# KiCad board impeller18.kicad_pcb (continued)
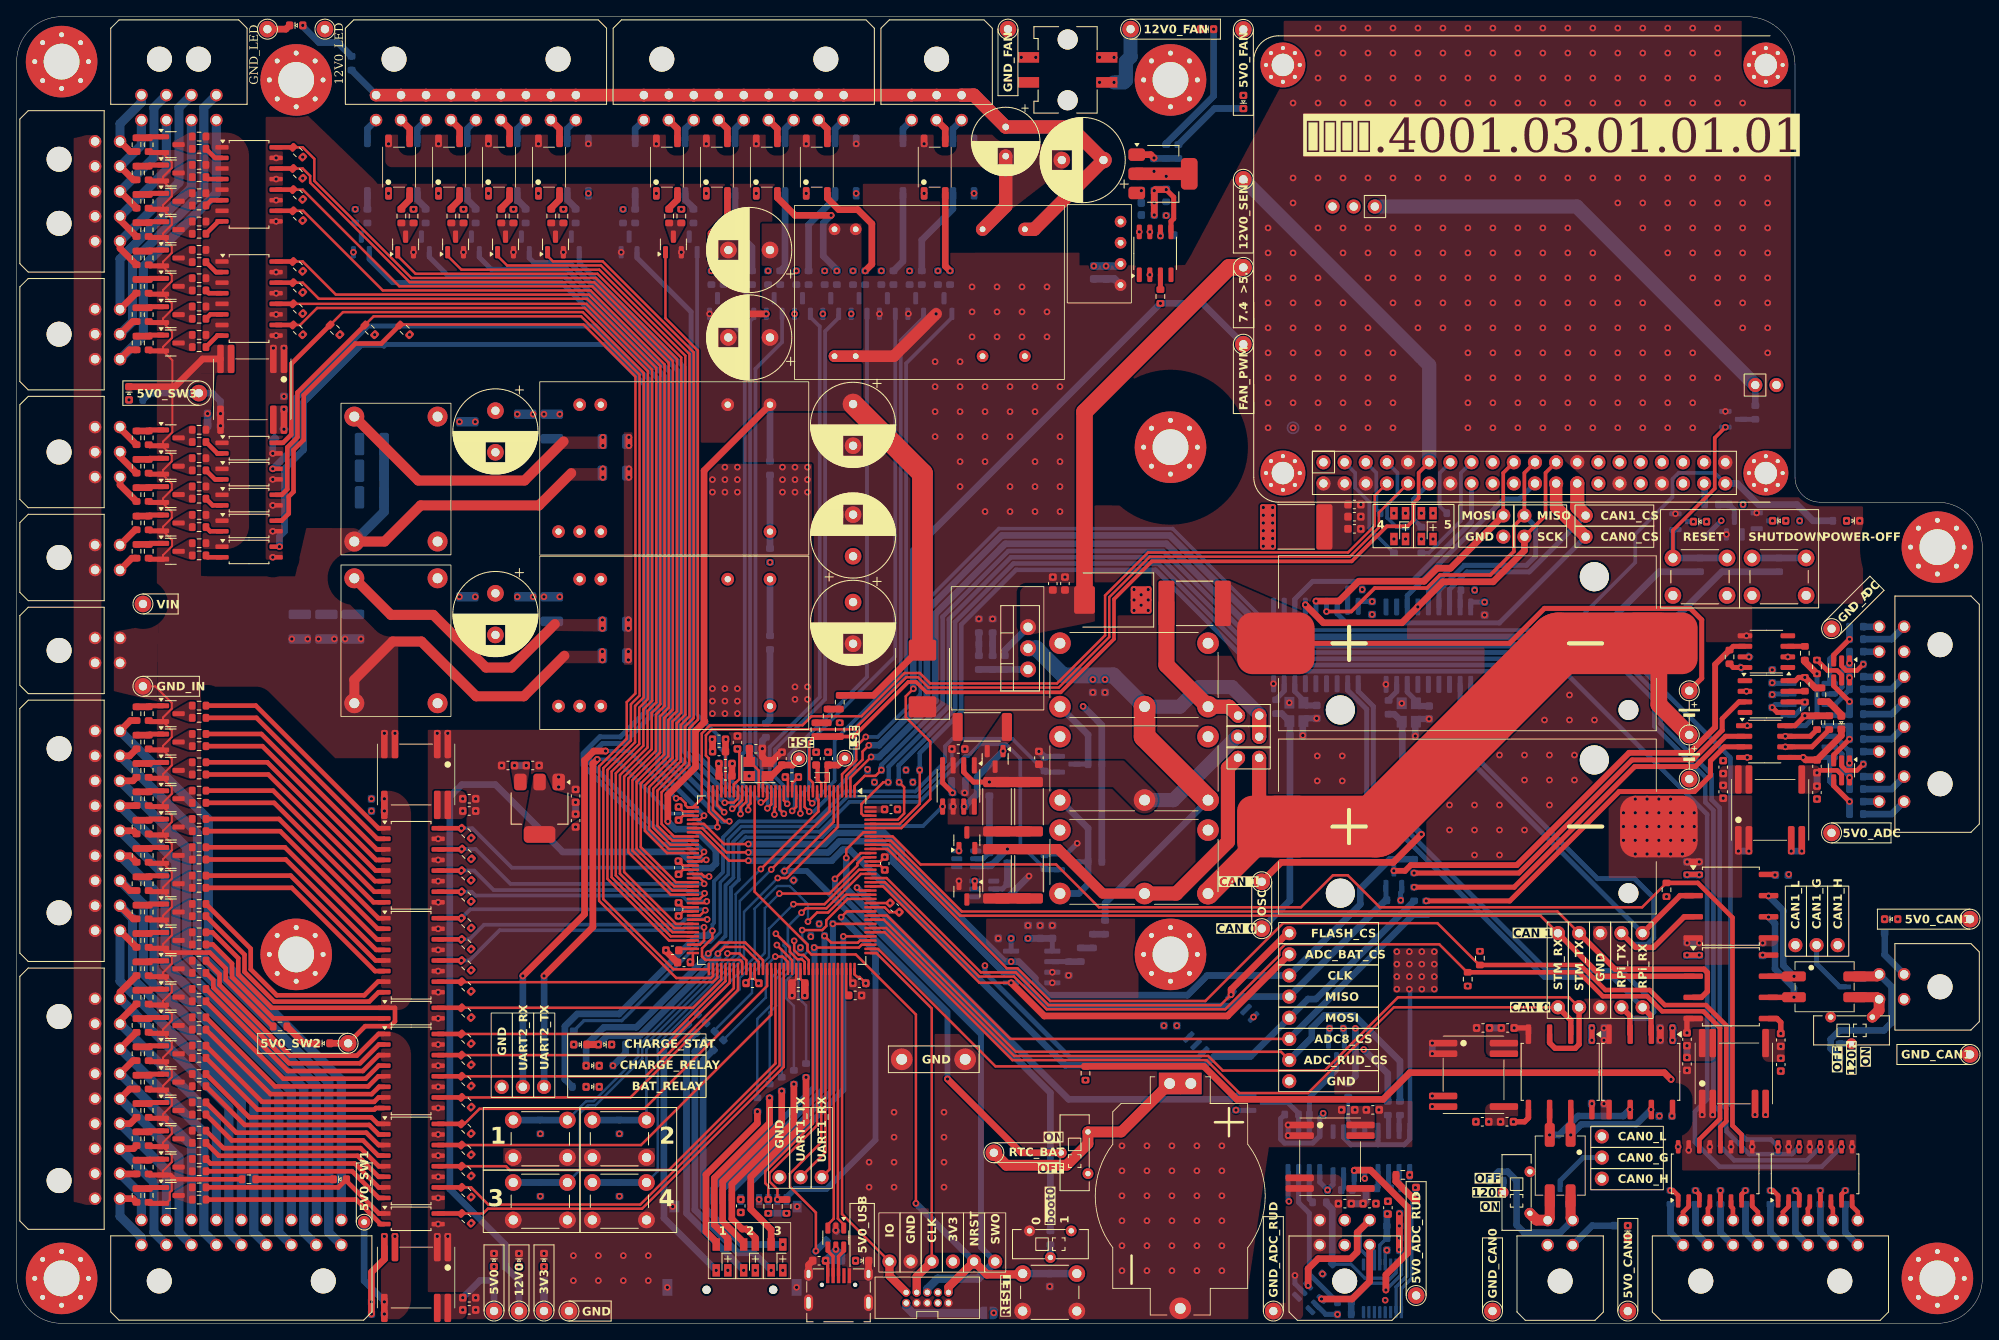
[diagram p0: board, top side]
## Routing (per net, layer and track width the routed paths; a pad name or vN(x,y) marks a point on that pad's centre or on a via; arc(x,y) is an arc through that point) (continued)
GND_ADC: length 58.9
  Top w0.55: U62.2 219.17,66.93 219.71,66.4 221.02,66.4 v1(221.77,67.15) ; v1(221.77,79.15) 221.02,78.4 219.71,78.4 219.17,78.93 U60.2
  Top w0.6: U58.9 v1(214.56,67.95) ; v1(210.84,73.95) 211.44,73.35 U57.5
  Top w0.8: D18.1 219.14,70.58 C108.2 214.86,67.66 v1(214.56,67.95)
  In1.Cu w0.8: v1(214.39,56.71) v1(213.12,56.71)
  In2.Cu w0.8: v1(213.12,56.71) v1(214.39,56.71)
  Bottom w0.6: v1(210.84,73.95) 211.19,74.3 U58.14 ; U58.9 v1(214.56,67.95)
  Bottom w0.8: R271.2 225.18,64.15 J29.7 ; R278.2 225.18,61.15 J29.8 ; J29.5 225.18,70.15 R272.2 ; R276.2 225.18,73.15 J29.4 ; R273.2 225.18,76.15 J29.3 ; v1(213.12,56.71) v1(214.39,56.71) ; J29.1 225.18,82.15 R274.2
  vias: v1(210.84,78.46) v1(216.21,62.96)
GND_ADC_RUD: length 19.5
  Top w0.8: v1(166.06,13.16) v1(166.06,8.85)
  In1.Cu w0.8: v1(166.06,13.16) v1(166.06,8.85)
  In2.Cu w0.8: v1(166.06,13.16) v1(166.06,8.85)
  Bottom w0.6: U67.2 153.52,4.77 v1(153.52,5.76)
  Bottom w0.8: v1(166.06,13.16) v1(166.06,8.85)
  vias: v1(158.74,14.38) v1(161.9,17.39) v1(163.25,14.38) v1(164.36,2.78) v1(166.06,11.7) v1(166.06,10.24) v1(167.3,17.82)
GND_CAN0: length 15.7
  Top w0.65: U10.5 181.56,24.67 181.1,24.2 v1(179.76,24.2)
  Bottom w0.6: D8.3 185.37,17.14 188.13,19.91 J11.2
  Bottom w0.8: J10.1 189.2,11.73 R42.1
  vias: v1(170.01,27.3) v1(170.01,26.03) v1(175.25,24.2) v1(190.63,26.37) v1(197.29,24.9)
GND_CAN1: length 15.7
  Top w0.65: 210.4,36.6 211.4,36.6 211.87,36.14 v1(211.87,34.8)
  Bottom w0.6: D10.3 218.93,40.41 216.16,43.17 J14.2
  Bottom w0.8: R46.1 224.34,44.24 J13.1
  vias: v1(208.77,25.05) v1(209.7,45.67) v1(210.04,25.05) v1(211.87,30.29) v1(212.82,53.91)
GND_FAN: length 45.4
  Top w0.6: v1(138.06,136.13) 138.96,135.23 138.96,132.65 138.63,132.32 U73.5
  Top w0.8: v1(138.06,136.13) 136.75,136.13 v1(136.62,136.01) v1(136.62,133.09) ; v1(136.6,139.93) 136.2,140.33 U74.1
  In1.Cu w0.8: v1(130.05,152.01) v1(131.79,152.01) ; v1(138.06,136.13) 136.75,136.13 v1(136.62,136.01) v1(136.62,134.55) v1(136.62,133.09)
  In2.Cu w0.8: v1(131.79,152.01) v1(130.05,152.01) 125.01,152.01 121.62,155.4 119.67,155.4 ; v1(138.06,136.13) 136.75,136.13 v1(136.62,136.01) v1(136.62,134.55) v1(136.62,133.09)
  Bottom w0.8: v1(136.62,133.09) v1(136.62,134.55) v1(136.62,136.01) 136.8,136.18 C132.2 ; v1(130.05,152.01) v1(131.79,152.01) ; C131.2 R338.1 R339.1
GND_IN: length 327.3
  Top w0.24: TP9.1 16.65,76.49 18.63,74.5 18.63,73.81 17.57,72.75 Q7.2 18.63,71.2 18.63,70.4 17.57,69.35 Q9.2 18.63,67.79 18.63,67 17.57,65.94 Q11.2 18.63,64.39 18.63,63.58 17.57,62.53 Q13.2 18.63,60.99 18.63,60.19 17.57,59.14 Q15.2 18.63,57.59 18.63,56.79 17.57,55.74 Q17.2 18.63,54.18 18.63,53.39 17.57,52.33 Q19.2 18.63,50.78 18.63,49.99 17.57,48.93 Q21.2 18.63,47.38 18.63,46.59 17.57,45.53 Q23.2 18.63,43.98 18.63,43.18 17.57,42.12 17.57,41.63 18.63,40.57 18.63,39.78 17.57,38.72 Q8.2 18.64,37.16 18.64,36.38 17.57,35.32 Q10.2 18.63,33.76 18.63,32.97 17.57,31.91 Q12.2 18.63,30.36 18.63,29.57 17.57,28.51 Q14.2 18.63,26.96 18.63,26.17 17.57,25.11 Q16.2 18.63,23.56 18.63,22.77 17.57,21.71 Q18.2 18.63,20.16 18.63,19.36 17.57,18.31 Q20.2 ; Q22.2 17.97,14.41 18.39,14.84 18.39,15.71 18.63,15.95 18.63,17.66 18.48,17.81 ; Q33.2 17.58,92.24 18.66,93.32 18.66,94.07 Q32.2 17.58,95.65 18.63,96.71 18.63,97.4 17.57,98.46 Q34.2 17.57,99.05 18.63,100.11 18.63,100.82 17.57,101.87 Q35.2 17.57,102.45 18.63,103.51 18.63,104.22 17.57,105.27 Q36.2 17.57,105.87 18.69,106.99 18.69,115.64 Q31.2 17.57,117.25 18.66,118.34 18.66,119.08 Q30.2 17.57,120.65 18.63,121.71 18.63,122.52 Q29.2 17.57,124.07 18.63,125.13 18.63,125.82 17.57,126.88 Q28.2 17.57,127.47 18.63,128.53 18.63,129.32 Q27.2 17.57,130.86 18.63,131.92 18.63,132.72 Q26.2 17.57,134.26 18.63,135.32 18.63,136.12 Q25.2 17.57,137.67 18.63,138.73 18.63,139.43 17.57,140.49 Q24.2
  Top w0.55: Q23.2 18.09,44.52 23.19,44.52 25.11,42.61 25.11,41.27 30.73,35.65 R144.1 ; Q20.2 18.48,17.81 18.99,17.3 R143.1
  Top w0.6: R56.1 15.98,72.25 Q7.2 ; R103.1 15.98,24.62 Q16.2 ; Q26.2 15.98,133.78 R155.1 ; Q29.2 15.98,123.57 R171.1 ; R115.1 15.98,51.84 Q19.2 ; Q31.2 15.98,116.77 R181.1 ; R75.1 15.98,65.45 Q11.2 ; Q25.2 15.98,137.18 R150.1 ; R105.1 15.98,55.24 Q17.2 ; R146.1 15.98,140.58 Q24.2 ; R187.1 15.98,95.16 Q32.2 ; Q36.2 15.98,105.37 R206.1 ; Q12.2 15.98,31.42 R83.1 ; R125.1 15.98,48.44 Q21.2 ; Q9.2 15.98,68.85 R65.1 ; Q8.2 15.98,38.22 R63.1 ; Q30.2 15.98,120.17 R176.1 ; R135.1 15.98,45.04 Q23.2 ; R197.1 15.98,98.57 Q34.2 ; R201.1 15.98,101.97 Q35.2 ; R113.1 15.98,21.22 Q18.2 ; R191.1 15.98,91.75 Q33.2 ; Q14.2 15.98,28.02 R93.1 ; R73.1 15.98,34.82 Q10.2 ; Q15.2 15.98,58.64 R95.1 ; Q22.2 15.98,14.41 R133.1 ; Q28.2 15.98,126.98 R165.1 ; R123.1 15.98,17.81 Q20.2 ; R160.1 15.98,130.38 Q27.2 ; R85.1 15.98,62.05 Q13.2 ; R55.1 15.98,41.63 17.57,41.63
  Top w0.8: U24.7 44.16,7.69 42.61,6.14 v1(42.61,2.58) v1(42.61,1.12) ; D16.1 18.99,112.46 22.33,115.8 U28.7 ; v1(70.4,102.59) v1(70.4,101.59) ; v1(70.34,79.66) v1(70.34,80.66)
  Top w1.2: 65.78,80.16 60.91,75.29 55.19,75.29 48.61,81.87 45.15,81.87 40.55,77.27 L1.1 ; 66.61,102.09 62.73,98.22 48.52,98.22 44.18,93.88 L2.1
  In1.Cu w0.8: v1(70.34,79.66) v1(70.34,80.66) ; v1(70.4,102.59) v1(70.4,101.59)
  In2.Cu w0.8: v1(70.4,102.59) v1(70.4,101.59) ; v1(70.34,79.66) v1(70.34,80.66)
  Bottom w0.9: v1(22.93,109.23) C102.2
  Bottom w1.15: C44.2 C43.2 C42.2 44.13,97.45 L2.1
  vias: v1(33.05,82.18) v1(34.95,82.18) v1(36.25,82.18) v1(38.15,82.18) v1(39.45,82.18) v1(41.35,82.18) v1(42.61,62.98) v1(42.61,61.52) v1(44.16,70.85) v1(44.16,10.45) v1(45.43,70.85) v1(45.43,10.45)
GND_LED: length 66.1
  Top w0.8: 30.13,155.4 32.34,155.4 D17.1 32.81,155.85
  Top w1.6: U55.16 118.78,134.15 C107.2
  In1.Cu w1: 30.14,155.4 32.73,155.4 33.61,154.53 35.43,154.53 40.59,149.36 40.59,143.73 42.68,141.63 v1(44.66,141.63)
  In1.Cu w1.6: U55.16 118.78,134.15 C107.2
  In2.Cu w1.6: U55.16 118.78,134.15 C107.2
  Bottom w1.6: U55.16 118.78,134.15 C107.2
  vias: v1(50.66,141.63) v1(56.66,141.63) v1(62.66,141.63) v1(68.66,141.63) v1(76.82,141.63) v1(82.82,141.63) v1(88.82,141.63) v1(94.82,141.63) v1(100.82,141.63) v1(108.98,141.63) v1(114.98,141.63)
VIN: length 66.9
  Top w0.8: v1(70.4,105.39) v1(70.4,106.39) ; v1(70.34,83.46) v1(70.34,84.46)
  Top w1.2: 65.69,105.89 61,101.2 48.23,101.2 L2.2 ; 64.64,83.96 59.42,78.75 56.36,78.75 50.04,85.07 44.95,85.07 L1.2
  In1.Cu w0.8: v1(70.34,83.46) v1(70.34,84.46) ; v1(70.4,106.39) v1(70.4,105.39)
  In2.Cu w0.8: v1(70.34,83.46) v1(70.34,84.46) ; v1(70.4,106.39) v1(70.4,105.39)
/ADC8/ADC_5V_1: length 11.2
  Top w0.6: U60.3 218.22,80.25 v1(220.12,82.15)
  Bottom w0.6: v1(220.12,82.15) 217.74,79.77 U58.1
  Bottom w0.8: R266.2 v1(220.12,82.15)
/ADC8/ADC_5V_2: length 6.4
  Bottom w0.6: R275.1 219.22,78.24 219.22,76.4 218.4,75.57 U58.2
  Bottom w0.8: R275.1 R267.2
  vias: v1(220.12,79.27)
/ADC8/ADC_5V_3: length 4.7
  Bottom w0.6: U58.3 218.37,74.3 219.22,75.15 219.22,75.22 220.12,76.12 R273.1
  Bottom w0.8: R273.1 R265.2
  vias: v1(220.12,77.52)
/ADC8/ADC_5V_4: length 7.3
  Top w0.6: v1(220.12,74.65) 218.22,76.55 U60.4
  Bottom w0.6: U58.4 220.01,73.03 R276.1
  Bottom w0.8: R276.1 v1(220.12,74.65)
/ADC8/ADC_5V_5: length 7.3
  Top w0.6: v1(220.12,70.15) 218.22,68.25 U62.3
  Bottom w0.6: R264.2 220.01,71.76 U58.5
  Bottom w0.8: R264.2 v1(220.12,70.15)
/ADC8/ADC_5V_6: length 4.7
  Bottom w0.6: U58.6 218.37,70.49 219.22,69.65 219.22,69.55 R269.2
  Bottom w0.8: R269.2 R277.1
  vias: v1(220.12,67.27)
/ADC8/ADC_5V_7: length 6.8
  Bottom w0.6: U62.6 R263.2 219.22,66.55 219.22,68.38 218.37,69.22 U58.7
  Bottom w0.8: R263.2 R271.1
  vias: v1(220.12,65.52)
/ADC8/ADC_5V_8: length 11.2
  Top w0.6: U62.4 218.22,64.55 v1(220.12,62.65)
  Bottom w0.6: U58.8 217.74,65.05 220.12,62.68 v1(220.12,62.65)
  Bottom w0.8: R278.1 v1(220.12,62.65)
/ADC8/SPI_ADC8_CLK: length 4.9
  Top w0.6: v1(214.76,74.6) 214.74,74.62 U57.6
  Bottom w0.6: v1(214.76,74.6) 214.76,74.22 213.57,73.03 U58.13
/ADC8/SPI_ADC8_CS: length 6.1
  Top w0.6: v1(212.41,69.22) 215.61,69.22 217.68,71.29 R258.1
/ADC8/SPI_ADC8_MISO: length 11.1
  Top w0.8: v1(216.21,77.99) 214.75,79.45 R282.2
  Bottom w0.6: U58.12 214.84,71.76 216.21,73.13 v1(216.21,77.99)
/ADC8/SPI_ADC8_MOSI: length 4.1
  Top w0.6: v1(212.41,70.49) 215.41,70.49 R257.1
/ADC_RUD/ADC_RUD_5V_1: length 13.6
  Top w0.8: v1(156.71,2.92) 160.38,2.92 162.49,5.03 J30.1
  Bottom w0.4: J30.1 162.49,9.25 163.06,8.68 U65.11
/ADC_RUD/ADC_RUD_5V_2: length 19.5
  Top w0.8: J30.4 160.99,10.89 160.99,8.56 160.2,7.77 156.31,7.77 155.1,6.56 v1(155.1,4.53)
  Bottom w0.4: U65.10 162.41,7.86 162.07,8.2 162.06,8.2 161.34,8.92 161.34,11.24 J30.4
/ADC_RUD/ADC_RUD_INT_: length 16.6
  Bottom w0.4: U65.14 165.01,6.27 164.17,5.42 161.91,5.42 160.23,7.11 157.99,7.11
  Bottom w0.8: 157.99,7.11 157.99,13.7 157.28,14.41 R295.2
/ADC_RUD/SPI_ADC_RUD_CLK: length 18
  Bottom w0.4: U65.1 166.31,4.17 167.56,5.42 167.56,14.99 166.34,16.2 166.33,16.2
  Bottom w0.6: U66.6 166.03,16.51 R284.1
/ADC_RUD/SPI_ADC_RUD_CS: length 18.3
  Bottom w0.4: R287.1 166.96,14.26 166.96,5.67 165.66,4.37 U65.2
  Bottom w0.6: U66.7 164.76,16.45 R287.1
/ADC_RUD/SPI_ADC_RUD_MISO: length 9.3
  Bottom w0.4: R298.1 162.57,4.82 164.41,4.82 165.66,6.07 U65.15
  Bottom w0.8: R298.1 R285.1
/ADC_RUD/SPI_ADC_RUD_MOSI: length 25.1
  Top w0.8: v1(160.63,18.34) 160.68,18.39 162.6,18.39 167.06,13.93 167.06,8.44 164.44,5.82 v1(164.44,4)
  Bottom w0.4: U65.16 166.31,5.87 v1(164.44,4)
  Bottom w0.6: R286.1 160.63,16.25 U64.6
/BOOT0: length 59.7
  Top w0.3: U1.138 101.7,58.97 99.63,56.9 v1(99.63,55.88)
  Bottom w0.8: v1(99.63,55.88) 99.63,52.2 124.15,27.68 R1.1
/BUTTON_1: length 38.6
  Top w0.3: U1.82 87.63,43.6 86.81,44.42 v1(85.37,44.42)
  Bottom w0.3: v1(85.37,44.42) 85.37,44.01 74.64,33.29 74.64,32.01 69.3,26.67 68.4,26.67 SW4.1
  Bottom w0.8: SW4.1 R2.1 SW4.1
/BUTTON_2: length 55.1
  Top w0.3: U1.7 97.63,61.5 v1(90.63,54.49)
  Bottom w0.3: SW5.1 75.64,32.87 86.85,44.09 86.85,50.72 v1(90.63,54.49)
  Bottom w0.8: SW5.1 R3.1 SW5.1
/BUTTON_3: length 66.6
  Top w0.3: v1(89.38,54.55) 96.29,61.47 96.29,62.87 96.13,63.04 U1.10
  Bottom w0.3: v1(89.38,54.55) 86.35,51.53 86.35,44.29 75.14,33.08 75.14,31.8 69.51,26.17 68.61,26.17 67.64,25.2 67.64,18.41 SW6.1
  Bottom w0.8: SW6.1 R4.1 SW6.1
/BUTTON_4: length 63.6
  Top w0.3: U1.5 98.63,59.6 92.5,53.47 v1(91.4,53.47)
  Bottom w0.3: SW7.1 76.99,18.26 76.99,33.51 87.35,43.88 87.35,49.42 v1(91.4,53.47)
  Bottom w0.8: SW7.1 R5.1 SW7.1
/CAN/CAN0+: length 22.6
  Top w1.2: J10.3 186.62,12.64 L3.2
  Bottom w0.6: J10.3 186.87,13.47 186.32,14.02 D8.1
  Bottom w0.8: J10.3 185.37,10.9 181.05,10.9 180.14,11.81 180.14,17.15 179.07,18.21 177.96,18.21 R39.1
/CAN/CAN0-: length 7.9
  Top w1.2: J10.4 184.12,12.65 L3.3
  Top w1.3: J10.4 182.55,12.39 SW8.1
  Bottom w0.6: D8.2 184.42,14.02 183.87,13.47 J10.4
/CAN/CAN0_+: length 21.4
  Top w0.65: L3.1 186.64,22.64 U10.7
  In2.Cu w0.8: J11.3 189.22,17.37 186.64,19.94 v1(186.64,22.62)
  Bottom w0.8: v1(196.28,25.67) 194.51,23.9 187.92,23.9 v1(186.64,22.62)
/CAN/CAN0_-: length 21.4
  Top w0.65: L3.4 184.1,22.64 U10.6
  In2.Cu w0.8: J11.1 188.83,23.99 185.47,23.99 v1(184.1,22.62)
  Bottom w0.8: v1(193.74,25.67) 192.97,24.9 187.51,24.9 185.23,22.62 v1(184.1,22.62)
/CAN/CAN0_RPi_RX: length 62
  Top w0.65: J12.1 196.28,36.93 196.28,34.72
  Bottom w0.6: J12.1 191.67,41.55 183.47,41.55 162.13,62.89 162.13,73.74 159.85,76.03 U12.2
/CAN/CAN0_RPi_TX: length 67.8
  Top w0.65: 193.74,34.72 193.74,36.93 J12.2
  Bottom w0.6: J12.2 194.08,36.6 195.82,36.6 196.62,37.39 196.62,38.51 192.78,42.35 183.8,42.35 162.93,63.22 162.93,74.08 161.12,75.89 U12.1
/CAN/CAN1+: length 22.6
  Top w1.2: L4.2 223.43,41.66 J13.3
  Bottom w0.6: J13.3 222.6,41.91 222.05,41.36 D10.1
  Bottom w0.8: J13.3 225.18,40.41 225.18,36.09 224.26,35.18 218.92,35.18 217.86,34.11 217.86,33 R43.1
/CAN/CAN1-: length 7.9
  Top w1.2: L4.3 223.42,39.16 J13.4
  Top w1.3: J13.4 223.68,37.59 SW9.1
  Bottom w0.6: J13.4 222.6,38.91 222.05,39.46 D10.2
/CAN/CAN1_+: length 21.5
  Top w0.65: L4.1 213.43,41.68 210.4,41.68
  In2.Cu w0.8: v1(213.46,41.67) 216.12,41.67 218.7,44.26 J14.3
  Bottom w0.8: v1(213.46,41.67) 212.17,42.96 212.17,49.55 v1(210.4,51.32)
/CAN/CAN1_-: length 21.4
  Top w0.65: v1(213.45,39.16) 213.43,39.14 210.4,39.14
  In2.Cu w0.8: J14.1 212.08,43.87 212.08,40.53 v1(213.45,39.16)
  Bottom w0.8: v1(210.4,48.78) 211.17,48.01 211.17,42.54 213.45,40.27 v1(213.45,39.16)
/CAN/CAN1_RPi_RX: length 46.9
  Top w0.65: J15.1 199.77,51.36 U15.2
  Bottom w0.6: J15.1 173.35,68.76 U16.2
/CAN/CAN1_RPi_TX: length 57.8
  Top w0.65: U15.3 200.27,48.82 196.59,45.14 194.44,45.14 J15.2
  Bottom w0.6: J15.2 194.08,45.5 195.82,45.5 196.62,46.29 196.62,51.08 194.3,53.4 189.85,53.4 174.62,68.63 U16.1
/Digital inputs 5V/INPUT_1_NEG: length 2.6
  Top w0.55: J31.9 221.12,13.37 220.43,14.06 U69.8
/Digital inputs 5V/INPUT_1_POS: length 5.5
  Bottom w0.8: R299.1 219.62,10.89 J31.1
/Digital inputs 5V/INPUT_2_NEG: length 2.4
  Top w0.55: U69.6 217.89,14.02 218.12,13.79 J31.10
/Digital inputs 5V/INPUT_2_POS: length 5.5
  Bottom w0.8: R301.1 216.62,10.89 J31.2
/Digital inputs 5V/INPUT_3_NEG: length 2.4
  Top w0.55: J31.11 215.12,13.77 215.35,14 215.35,14.7
/Digital inputs 5V/INPUT_3_POS: length 5.5
  Bottom w0.8: J31.3 213.62,10.89 R303.1
/Digital inputs 5V/INPUT_4_NEG: length 2.6
  Top w0.55: U69.2 212.81,14.04 212.12,13.35 J31.12
/Digital inputs 5V/INPUT_4_POS: length 5.5
  Bottom w0.8: R305.1 210.62,10.89 J31.4
/Digital inputs 5V/INPUT_5_NEG: length 2.6
  Top w0.55: U70.8 208.43,14.06 209.12,13.37 J31.13
/Digital inputs 5V/INPUT_5_POS: length 5.5
  Bottom w0.8: R307.1 207.62,10.89 J31.5
/Digital inputs 5V/INPUT_6_NEG: length 2.4
  Top w0.55: J31.14 206.12,13.8 205.89,14.03 U70.6
/Digital inputs 5V/INPUT_6_POS: length 5.5
  Bottom w0.8: R309.1 204.62,10.89 J31.6
/Digital inputs 5V/INPUT_7_NEG: length 2.4
  Top w0.55: 203.35,14.7 203.35,14.03 203.12,13.8 J31.15
/Digital inputs 5V/INPUT_7_POS: length 5.5
  Bottom w0.8: R311.1 201.62,10.89 J31.7
/Digital inputs 5V/INPUT_8_NEG: length 2.6
  Top w0.55: U70.2 200.81,14.03 200.12,13.34 J31.16
/Digital inputs 5V/INPUT_8_POS: length 5.5
  Bottom w0.8: J31.8 198.62,10.89 R313.1
/Fan/FAN_PWM_5V0: length 37
  In1.Cu w0.8: v1(120.65,152.01) v1(122.39,152.01) 124.52,152.01 129.86,146.67 132.51,146.67 139.06,140.12 139.06,132.27 v1(137.36,130.58)
  In2.Cu w0.8: v1(120.65,152.01) v1(122.39,152.01)
  Bottom w0.8: v1(120.65,152.01) v1(122.39,152.01)
/HSE_IN: length 7.1
  Top w0.3: U1.23 89.63,65.72 Y1.2
  Top w0.8: TP2.1 93.19,67.03 C21.2 91.91,67 90.63,65.72 Y1.2
/HSE_OUT: length 5.7
  Top w0.3: U1.24 89.13,66.37 88.08,67.42 87.98,67.42
  Top w0.8: C25.2 88.01,67.44 87.98,67.42
/LED_indicators/LED1_EXT_12V: length 2.9
  Bottom w0.8: J27.10 42.12,143.44 U34.3
/LED_indicators/LED2_EXT_12V: length 2.9
  Top w0.8: J27.11 47.2,143.44 U37.3
/LED_indicators/LED3_EXT_12V: length 2.9
  Bottom w0.8: U40.3 48.12,143.44 J27.12
/LED_indicators/LED4_EXT_12V: length 2.9
  Top w0.8: U43.3 53.2,143.44 J27.13
/LED_indicators/LED5_EXT_12V: length 2.9
  Bottom w0.8: U45.3 54.12,143.44 J27.14
/LED_indicators/LED6_EXT_12V: length 2.9
  Top w0.8: U47.3 59.2,143.44 J27.15
/LED_indicators/LED7_EXT_12V: length 2.9
  Bottom w0.8: J27.16 60.12,143.44 U49.3
/LED_indicators/LED8_EXT_12V: length 2.9
  Top w0.8: U51.3 65.2,143.44 J27.17
/LED_indicators/LED9_EXT_12V: length 2.9
  Bottom w0.8: U53.3 66.12,143.44 J27.18
/LED_indicators/LED10_EXT_12V: length 2.9
  Bottom w0.8: U35.3 74.28,143.44 J28.10
/LED_indicators/LED11_EXT_12V: length 2.9
  Top w0.8: U38.3 79.36,143.44 J28.11
/LED_indicators/LED12_EXT_12V: length 2.9
  Bottom w0.8: U41.3 80.28,143.44 J28.12
/LED_indicators/LED13_EXT_12V: length 2.9
  Top w0.8: U44.3 85.36,143.44 J28.13
/LED_indicators/LED14_EXT_12V: length 2.9
  Bottom w0.8: J28.14 86.28,143.44 U46.3
/LED_indicators/LED15_EXT_12V: length 2.9
  Top w0.8: U48.3 91.36,143.44 J28.15
/LED_indicators/LED16_EXT_12V: length 2.9
  Bottom w0.8: U50.3 92.28,143.44 J28.16
/LED_indicators/LED17_EXT_12V: length 2.9
  Top w0.8: J28.17 97.36,143.44 U52.3
/LED_indicators/LED18_EXT_12V: length 2.9
  Bottom w0.8: U54.3 98.28,143.44 J28.18
/LED_indicators/LED19_EXT_12V: length 2.9
  Bottom w0.8: U36.3 106.44,143.44 J26.4
/LED_indicators/LED20_EXT_12V: length 2.9
  Top w0.8: J26.5 111.52,143.44 U39.3
/LED_indicators/LED21_EXT_12V: length 2.9
  Bottom w0.8: J26.6 112.44,143.44 U42.3
/LSE_IN: length 5.6
  Top w0.3: U1.8 97.13,65.04 97.29,65.2 Y2.2
  Top w0.5: Y2.2 97.29,66.85 C22.2
  Top w0.8: C22.2 98.65,67.03 TP1.1
/LSE_OUT: length 3.4
  Top w0.3: U1.9 96.63,64.85 96.19,65.29 Y2.1
  Top w0.5: Y2.1 96.19,66.85 C24.2
/NRST: length 88.5
  Top w0.3: U1.25 88.63,51.83 94.98,45.47 94.98,44.76 95.45,44.29 100.78,44.29 108,37.08 v1(108,14.41)
  Top w1: J2.10 111.91,4.35 J1.5 116.53,5.87 120.72,5.87 SW1.1
  Bottom w0.8: v1(108,14.41) J1.5
  Bottom w0.9: SW1.1 C23.1 SW1.1
/Power/BAT_CHRG_TOGGLE_: length 17
  Bottom w0.6: Q1.3 R12.2
  Bottom w0.8: K3.A1 127.55,51.61 128.68,52.73 R12.2 128.68,59.45 K1.A1
/Power/BAT_RELAY_TOGGLE_: length 9.9
  Bottom w0.6: Q2.3 R15.2
  Bottom w0.8: K2.A1 128.68,70.67 R15.2
/RPi/EN: length 57
  Bottom w0.8: R347.1 J35.1
  Bottom w1.7: J36.1 187.37,134.1 J35.1
/STM32 Peripherals/usb_conn_d+: length 3.7
  Top w0.4: J33.3 98.7,8.04 99.33,8.67 99.33,9.16
/STM32 Peripherals/usb_conn_d-: length 3.7
  Top w0.4: U72.4 97.43,8.67 98.05,8.04 J33.2
/Switches_1/SWITCH_1.1_EXT: length 74.8
  Top w0.8: R53.2 12.42,39.77 J18.18
  In2.Cu w1.1: J19.5 25.49,10.91 25.49,25.91 J18.18
  Bottom w1.1: J18.18 25.49,25.91 25.49,10.91 J19.5
/Switches_1/SWITCH_1.2_EXT: length 59.9
  Top w0.8: R61.2 12.42,36.37 J18.17
  In2.Cu w1.1: J18.17 23.99,24.41 J19.15
  Bottom w1.1: J19.15 23.99,24.41 J18.17
/Switches_1/SWITCH_1.3_EXT: length 59.5
  Top w0.8: J18.16 14.38,34.95 R71.2
  In2.Cu w1.1: J19.6 22.49,10.91 22.49,22.91 J18.16
  Bottom w1.1: J18.16 22.49,22.91 22.49,10.91 J19.6
/Switches_1/SWITCH_1.4_EXT: length 44.9
  Top w0.8: R81.2 13.98,31.55 J18.15
  In2.Cu w1.1: J18.15 20.99,21.41 J19.16
  Bottom w1.1: J18.15 20.99,21.41 J19.16
/Switches_1/SWITCH_1.5_EXT: length 44.7
  Top w0.8: R91.2 13.58,28.14 J18.14
  In2.Cu w1.1: J18.14 19.49,19.91 19.49,10.91 J19.7
  Bottom w1.1: J19.7 19.49,10.91 19.49,19.91 J18.14
/Switches_1/SWITCH_1.6_EXT: length 30.1
  Top w0.8: J18.13 13.64,23.98 R101.2
  In2.Cu w1.1: J18.13 17.99,18.41 J19.17
  Bottom w1.1: J18.13 17.99,18.41 J19.17
/Switches_1/SWITCH_1.7_EXT: length 29.9
  Top w0.8: J18.12 14.04,20.98 R111.2
  In2.Cu w1.1: J19.8 16.49,10.91 16.49,16.91 J18.12
  Bottom w1.1: J19.8 16.49,10.91 16.49,16.91 J18.12
/Switches_1/SWITCH_1.8_EXT: length 15.3
  Top w0.8: J18.11 12.46,17.94 R121.2
  In2.Cu w1.1: J18.11 14.99,15.41 J19.18
  Bottom w1.1: J19.18 14.99,15.41 J18.11
/Switches_1/SWITCH_1.9_EXT: length 15.4
  Top w0.8: J18.10 13.95,14.98 R131.2
  In2.Cu w1.1: J19.9 14.99,10.29 12.42,12.86 J18.10
  Bottom w1.1: J19.9 14.99,10.29 12.42,12.86 J18.10
/Switches_1/SWITCH_2.1_EXT: length 142
  Top w0.8: R54.2 13.66,72.38 J20.18
  In2.Cu w1.1: J19.10 38.99,29.24 23.02,45.21 23.02,60.54 J20.18
  Bottom w1.1: J19.10 38.99,29.24 23.02,45.21 23.02,60.54 J20.18
/Switches_1/SWITCH_2.2_EXT: length 141.8
  Top w0.8: J20.17 13.56,68.14 R62.2
  In2.Cu w1.1: J20.17 21.72,58.84 21.72,44.67 37.49,28.9 37.49,10.91 J19.1
  Bottom w1.1: J20.17 21.72,58.84 21.72,44.67 37.49,28.9 37.49,10.91 J19.1
/Switches_1/SWITCH_2.3_EXT: length 127.1
  Top w0.8: R72.2 13.96,65.14 J20.16
  In2.Cu w1.1: J19.11 35.99,28.56 20.42,44.13 20.42,57.14 J20.16
  Bottom w1.1: J19.11 35.99,28.56 20.42,44.13 20.42,57.14 J20.16
/Switches_1/SWITCH_2.4_EXT: length 127
  Top w0.8: R82.2 12.45,62.17 J20.15
  In2.Cu w1.1: J19.2 34.49,10.91 34.49,28.22 19.12,43.59 19.12,55.44 J20.15
  Bottom w1.1: J20.15 19.12,55.44 19.12,43.59 34.49,28.22 34.49,10.91 J19.2
/Switches_1/SWITCH_2.5_EXT: length 112.6
  Top w0.8: R92.2 14.03,59.14 J20.14
  In2.Cu w1.1: J19.12 32.99,27.89 17.82,43.06 17.82,53.74 J20.14
  Bottom w1.1: J20.14 17.82,53.74 17.82,43.06 32.99,27.89 J19.12
/Switches_1/SWITCH_2.6_EXT: length 112.8
  Top w0.8: J20.13 13.63,56.14 R102.2
  In2.Cu w1.1: J20.13 16.52,52.04 16.52,42.52 31.49,27.55 31.49,10.91 J19.3
  Bottom w1.1: J20.13 16.52,52.04 16.52,42.52 31.49,27.55 31.49,10.91 J19.3
/Switches_1/SWITCH_2.7_EXT: length 98.5
  Top w0.8: J20.12 13.59,51.97 R112.2
  In2.Cu w1.1: J20.12 15.22,50.34 15.22,41.98 29.99,27.21 J19.13
  Bottom w1.1: J19.13 29.99,27.21 15.22,41.98 15.22,50.34 J20.12
/Switches_1/SWITCH_2.8_EXT: length 98.7
  Top w0.8: J20.11 13.99,48.56 R122.2
  In2.Cu w1.1: J20.11 13.92,48.64 13.92,41.44 28.49,26.87 28.49,10.91 J19.4
  Bottom w1.1: J20.11 13.92,48.64 13.92,41.44 28.49,26.87 28.49,10.91 J19.4
/Switches_1/SWITCH_2.9_EXT: length 84.3
  Top w0.8: R132.2 J20.10
  In2.Cu w1.1: J19.14 26.99,26.53 12.42,41.1 J20.10
  Bottom w1.1: J19.14 26.99,26.53 12.42,41.1 J20.10
/Switches_2/SWITCH_3.1_EXT: length 15.8
  Top w0.8: J21.10 13.63,140.71 R145.2
  In2.Cu w1.1: J21.10 12.42,144.04 14.99,146.61 14.99,147.49
  Bottom w1.1: 14.99,147.49 14.99,146.61 12.42,144.04 J21.10
/Switches_2/SWITCH_3.2_EXT: length 15.9
  Top w0.8: R149.2 14.03,137.31 J21.9
  In2.Cu w1.1: 14.99,144.49 14.99,141.49 J21.9
  Bottom w1.1: 14.99,144.49 14.99,141.49 J21.9
/Switches_2/SWITCH_3.3_EXT: length 30.6
  Top w0.8: J21.8 14.4,133.94 R154.2
  In2.Cu w1.1: 17.99,147.49 16.49,145.99 16.49,139.99 J21.8
  Bottom w1.1: J21.8 16.49,139.99 16.49,145.99 17.99,147.49
/Switches_2/SWITCH_3.4_EXT: length 31
  Top w0.8: R159.2 12.42,132.48 J21.7
  In2.Cu w1.1: 17.99,144.49 17.99,138.49 J21.7
  Bottom w1.1: J21.7 17.99,138.49 17.99,144.49
/Switches_2/SWITCH_3.5_EXT: length 45.9
  Top w0.8: R164.2 12.42,129.08 J21.6
  In2.Cu w1.1: J21.6 19.49,136.99 19.49,145.99 20.99,147.49
  Bottom w1.1: 20.99,147.49 19.49,145.99 19.49,136.99 J21.6
/Switches_2/SWITCH_3.6_EXT: length 55.3
  Top w0.8: J23.6 14.35,123.7 R170.2
  In2.Cu w1.1: J23.6 12.42,127.8 20.99,136.37 20.99,144.49
  Bottom w1.1: J23.6 12.42,127.8 20.99,136.37 20.99,144.49
/Switches_2/SWITCH_3.7_EXT: length 69.6
  Top w0.8: J23.5 13.94,120.3 R175.2
  In2.Cu w1.1: 23.99,147.49 22.49,145.99 22.49,136.03 13.92,127.46 13.92,120.27 J23.5
  Bottom w1.1: 23.99,147.49 22.49,145.99 22.49,136.03 13.92,127.46 13.92,120.27 J23.5
/Switches_2/SWITCH_3.8_EXT: length 69.5
  Top w0.8: J23.4 13.54,116.89 R180.2
  In2.Cu w1.1: J23.4 15.22,118.57 15.22,126.92 23.99,135.69 23.99,144.49
  Bottom w1.1: J23.4 15.22,118.57 15.22,126.92 23.99,135.69 23.99,144.49
/Switches_2/SWITCH_3.9_EXT: length 2.7
  Top w0.8: R186.2 14.24,95.28 J24.4
/Switches_2/SWITCH_3.10_EXT: length 2.6
  Top w0.8: J24.3 13.84,91.88 R190.2
/Switches_2/SWITCH_4.1_EXT: length 3.7
  Top w0.8: R196.2 12.42,100.67 J25.4
/Switches_2/SWITCH_4.2_EXT: length 3.3
  Top w0.8: J25.5 12.42,104.07 R200.2
/Switches_2/SWITCH_4.3_EXT: length 2.9
  Top w0.8: J25.6 12.42,107.48 R205.2
/VCAP_1: length 1.8
  Top w0.3: C1.1 79.69,44.97 U1.71
/VCAP_2: length 3.5
  Top w0.3: C2.1 99.63,39.38 U1.106
ADC_RUD_INT: length 59.8
  Top w0.3: U1.124 101.28,51.97 v1(100.93,52.32)
  Bottom w0.6: R297.2 146.65,27.47 Q60.2
  Bottom w0.8: R297.2 146.16,27.26 145.8,26.9 126.34,26.9 v1(100.93,52.32)
BAT_CHRG_STAT: length 67.9
  Top w0.3: U1.85 89.13,43.39 87.32,45.2 85.02,45.2 v1(84.22,44.39)
  Top w0.85: D5.1 v1(69.87,33.48)
  Bottom w0.45: v1(111.2,62.05) 108.85,59.71 98.05,59.71 96.72,58.38 87.54,58.38 86.73,57.56 86.73,53.26 85.78,52.32 85.78,46.07 84.22,44.5 v1(84.22,44.39)
  Bottom w0.8: v1(84.22,44.39) 84.22,43.93 74.84,34.55 70.94,34.55 v1(69.87,33.48)
BAT_CHRG_TOGGLE: length 101.8
  Top w0.3: v1(83.06,44.4) 84.38,45.72 87.51,45.72 89.63,43.6 U1.86
  Bottom w0.45: v1(83.06,44.4) 83.06,44.45 85.13,46.52 85.13,52.59 86.08,53.53 86.08,57.83 87.27,59.03 96.45,59.03 100.03,62.61 108.43,62.61 113.96,68.14 114.28,68.14 115.68,69.54 118.8,69.54 120.54,67.8 120.54,57.51 R13.2
  Bottom w0.6: Q1.1 123.58,54.47 R13.2
  Bottom w0.8: v1(68.39,30.94) 68.39,33.41 70.53,35.55 74.43,35.55 83.06,44.18 v1(83.06,44.4)
BAT_RELAY_TOGGLE: length 99.4
  Top w0.3: U1.81 87.13,43.39 86.88,43.64 82.72,43.64 82.31,44.05 82.31,45.01 83.55,46.25 v1(83.55,47.14)
  Bottom w0.45: v1(83.55,47.14) 83.55,47.88 83.76,48.08 83.76,53.08 84.83,54.15 84.83,58.35 86.75,60.28 95.93,60.28 99.52,63.86 107.92,63.86 111.5,67.45 111.5,69.3 112.38,70.19 119.58,70.19 R16.2
  Bottom w0.6: R16.2 123.58,66.19 Q2.1
  Bottom w0.8: R341.1 65.83,29.3 65.83,35.66 67.32,37.15 72.35,37.15 81.75,46.55 82.97,46.55 v1(83.55,47.14)
